# Altium PCB PCB For IN12の世界线.PcbDoc (part 2 of 2)
Units mm, origin at the board's own origin, x right, y up, seen from the top; angles counter-clockwise.
Board outline 183 x 51 mm, 2 copper layers (Top Layer, Bottom Layer), stack 1.58 mm thick; 103 components, 141 nets, 605 pads, 220 vias.
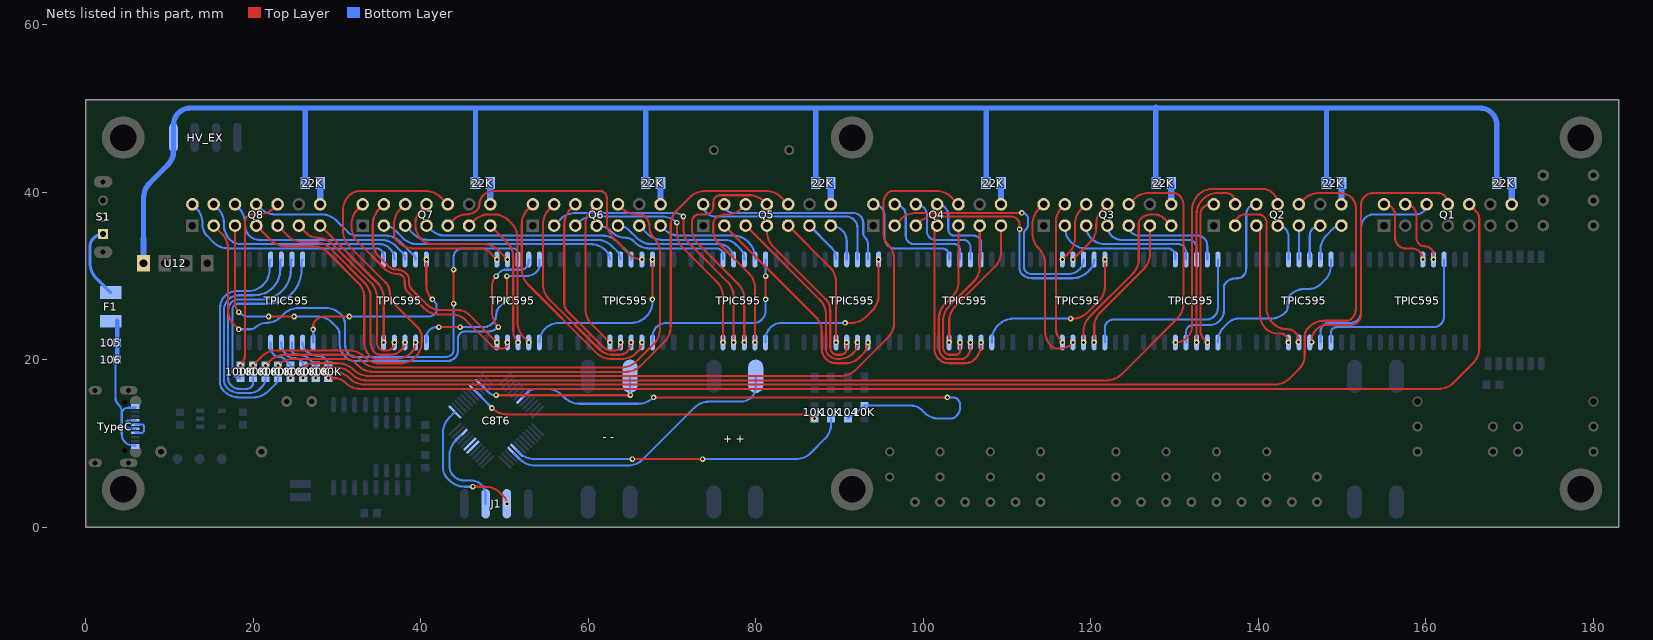
[diagram p2: the nets of this part, all layers, seen from the top]

## Via types
v1: diameter 0.66, hole 0.356, Top Layer to Bottom Layer, 220 vias

## Nets (pads, with @x,y where several pads share a name; then routed paths per layer and width w, separated by ;. In a path a pad name is that pad's centre, name@x,y a point inside that pad or via, vN(x,y) a via of type N, cw(c..) or ccw(c..) an arc to the next point about the centre after c; other vN are vias at no path point) (continued)
L1-6: Q1.2 TPIC595.16@159.635,31.95 | length 9.5
  Top Layer w0.254: Q1.2@155,38.54 cw(c155,37.21) 156.33,37.21 156.33,34.544 ccw(c157.6,34.544) 157.6,33.274 158.311,33.274 cw(c158.311,31.95) v1(159.635,31.95)
L1-7: Q1.4 TPIC595.17@160.905,31.95 | length 8.5
  Top Layer w0.254: Q1.4@157.54,38.54 cw(c157.54,37.21) 158.87,37.21 158.87,34.544 ccw(c159.886,34.544) 159.886,33.528 cw(c159.886,32.509) 160.905,32.509 v1(160.905,31.95)
L1-8: Q1.6 TPIC595.4@147.405,22.05 | length 27
  Bottom Layer w0.254: TPIC595.4@147.405,22.05 ccw(c147.405,22.085) 147.44,22.085 147.44,23.368 cw(c148.456,23.368) 148.456,24.384 150.996,24.384 ccw(c150.996,25.654) 152.266,25.654 152.266,35.814 cw(c153.79,35.814) 153.79,37.338 158.878,37.338 ccw(c158.878,38.54) Q1.6@160.08,38.54
L1-9: Q1.8 TPIC595.5@146.135,22.05 | length 32.9
  Top Layer w0.254: v1(146.371,22.098) 146.371,22.286 cw(c148.215,22.286) 148.215,24.13 150.996,24.13 ccw(c150.996,25.4) 152.266,25.4 152.266,38.468 cw(c153.676,38.468) 153.676,39.878 161.41,39.878 cw(c161.41,38.668) 162.62,38.668 Q1.8@162.62,38.54
L1-DP: 100K.1@28.98,17.78 Q1.10 | length 157.8
  Top Layer w0.254: v1(28.98,17.78) 29.736,17.78 cw(c29.736,15.984) 31.006,17.254 ccw(c32.802,19.05) 32.802,16.51 161.508,16.51 ccw(c161.508,19.05) 163.304,17.254 165.626,19.576 ccw(c163.83,21.372) 166.37,21.372 166.37,36.83 ccw(c165.163,36.83) 166.017,37.683 Q1.10@165.16,38.54
L2-0: Q2.3 TPIC595.6@144.865,22.05 | length 21.5
  Top Layer w0.254: Q2.3@137.22,36 137.22,36.128 cw(c138.43,36.128) 138.43,37.338 139.954,37.338 cw(c139.954,36.322) 140.97,36.322 140.97,26.162 ccw(c143.51,26.162) 143.51,23.622 cw(c143.51,22.352) 144.78,22.352 v1(144.78,22.098)
L2-1: Q2.5 TPIC595.7@143.595,22.05 | length 16.2
  Top Layer w0.254: Q2.5@139.76,36 cw(c139.76,35.552) 140.208,35.552 140.208,25.418 ccw(c142.704,25.418) 140.939,23.653 ccw(c142.24,24.954) 142.24,23.114 142.643,23.114 cw(c142.643,22.247) 143.256,22.86 143.262,22.854 cw(c142.458,22.05) v1(143.595,22.05)
L2-2: Q2.7 TPIC595.14@143.595,31.95 | length 4.8
  Bottom Layer w0.254: Q2.7@142.3,36 cw(c142.3,34.705) 143.595,34.705 TPIC595.14@143.595,31.95
L2-3: Q2.9 TPIC595.15@144.865,31.95 | length 4.1
  Bottom Layer w0.254: Q2.9@144.84,36 144.84,31.975 ccw(c144.865,31.975) TPIC595.15@144.865,31.95
L2-4: Q2.11 TPIC595.16@146.135,31.95 | length 4.8
  Bottom Layer w0.254: TPIC595.16@146.135,31.95 146.135,34.755 cw(c147.38,34.755) Q2.11@147.38,36
L2-5: Q2.13 TPIC595.17@147.405,31.95 | length 5.3
  Bottom Layer w0.254: TPIC595.17@147.405,31.95 147.405,33.069 cw(c149.945,33.069) 148.149,34.865 148.834,35.55 cw(c149.92,34.465) Q2.13@149.92,36
L2-6: Q2.2 TPIC595.4@133.905,22.05 | length 17.8
  Top Layer w0.254: v1(133.905,22.05) 133.471,22.484 cw(c134.378,23.39) 133.096,23.39 133.096,37.487 cw(c133.963,37.487) 133.35,38.1 cw(c134.412,37.038) 134.412,38.54 Q2.2@134.68,38.54
L2-7: Q2.4 TPIC595.5@132.635,22.05 | length 22.2
  Top Layer w0.254: v1(132.635,22.05) 132.635,37.349 cw(c135.175,37.349) 133.379,39.145 cw(c135.149,37.375) 135.149,39.878 136.144,39.878 cw(c136.144,38.802) 137.22,38.802 Q2.4@137.22,38.54
L2-8: Q2.6 TPIC595.6@131.365,22.05 | length 22.2
  Bottom Layer w0.254: TPIC595.6@131.365,22.05 131.365,23.295 cw(c132.2,23.295) 132.2,24.13 134.156,24.13 ccw(c134.156,25.864) 135.382,24.638 ccw(c134.156,25.864) 135.89,25.864 135.89,28.597 cw(c136.757,28.597) 136.144,29.21 cw(c137.37,27.984) 137.37,29.718 137.563,29.718 ccw(c137.563,30.585) 138.176,29.972 ccw(c137.273,30.875) 138.55,30.875 138.55,37.33 cw(c139.76,37.33) Q2.6@139.76,38.54
L2-9: Q2.8 TPIC595.7@130.095,22.05 | length 29.7
  Top Layer w0.254: v1(130.095,22.05) ccw(c130.095,24.035) 132.08,24.035 132.08,37.846 cw(c134.62,37.846) 134.62,40.386 140.454,40.386 cw(c140.454,38.54) Q2.8@142.3,38.54
L2-DP: 100K.1@27.48,17.78 Q2.10 | length 151
  Top Layer w0.254: v1(27.48,17.78) 27.737,18.037 cw(c28.956,16.818) 28.956,18.542 29.682,18.542 cw(c29.682,16.002) 31.478,17.798 31.514,17.762 ccw(c33.31,19.558) 33.31,17.018 141.95,17.018 ccw(c141.95,19.558) 143.746,17.762 144.824,18.84 ccw(c143.089,20.574) 145.542,20.574 145.542,22.86 cw(c146.768,22.86) 145.901,23.727 146.068,23.894 cw(c147.864,22.098) 147.864,24.638 150.517,24.638 ccw(c150.517,25.505) 151.13,24.892 ccw(c149.904,26.118) 151.638,26.118 151.638,38.094 ccw(c149.858,38.094) 151.117,39.353 ccw(c149.57,37.338) 149.57,39.878 147.23,39.878 ccw(c147.23,37.338) 145.434,39.134 Q2.10@144.84,38.54
L3-0: Q3.3 TPIC595.14@130.095,31.95 | length 15.8
  Bottom Layer w0.254: Q3.3@116.9,36 116.9,35.814 ccw(c119.44,35.814) 119.44,33.274 129.152,33.274 cw(c129.152,32.331) 130.095,32.331 TPIC595.14@130.095,31.95
L3-1: Q3.5 TPIC595.15@131.365,31.95 | length 14.6
  Bottom Layer w0.254: Q3.5@119.44,36 ccw(c121.658,36) 121.658,33.782 130.422,33.782 cw(c130.422,32.839) 131.365,32.839 TPIC595.15@131.365,31.95
L3-2: Q3.7 TPIC595.16@132.635,31.95 | length 13.6
  Bottom Layer w0.254: Q3.7@121.98,36 ccw(c123.69,36) 123.69,34.29 131.692,34.29 cw(c131.692,33.347) 132.635,33.347 TPIC595.16@132.635,31.95
L3-3: Q3.9 TPIC595.17@133.905,31.95 | length 12.4
  Bottom Layer w0.254: Q3.9@124.52,36 ccw(c125.722,36) 125.722,34.798 132.708,34.798 cw(c132.708,33.601) 133.905,33.601 TPIC595.17@133.905,31.95
L3-4: Q3.11 TPIC595.4@120.405,22.05 | length 16.5
  Top Layer w0.254: v1(120.405,22.05) 120.405,23.849 cw(c122.945,23.849) 121.149,25.645 126.316,30.812 ccw(c124.52,32.608) 127.06,32.608 Q3.11@127.06,36
L3-5: Q3.13 TPIC595.5@119.135,22.05 | length 21.6
  Top Layer w0.254: v1(119.135,22.05) 119.135,23.341 cw(c121.675,23.341) 119.879,25.137 124.986,30.244 ccw(c123.19,32.04) 125.73,32.04 125.73,36.217 cw(c126.597,36.217) 125.984,36.83 cw(c127.21,35.604) 127.21,37.338 127.508,37.338 cw(c127.508,35.518) 128.795,36.805 Q3.13@129.6,36
L3-6: Q3.2 TPIC595.6@117.865,22.05 | length 20.8
  Top Layer w0.254: Q3.2@114.36,38.54 113.774,37.954 ccw(c115.57,36.158) 113.03,36.158 113.03,35.088 ccw(c115.57,35.088) 113.774,33.292 113.81,33.256 cw(c112.014,31.46) 114.554,31.46 114.554,23.404 ccw(c117.094,23.404) 115.298,21.608 115.316,21.59 ccw(c115.929,22.203) 115.929,21.336 116.332,21.336 ccw(c116.332,23.313) 117.73,21.915 v1(117.865,22.05)
L3-7: Q3.4 TPIC595.7@116.595,22.05 | length 17
  Top Layer w0.254: v1(116.595,22.05) 116.568,22.077 cw(c118.364,23.873) 115.824,23.873 115.824,36.412 cw(c118.364,36.412) 116.568,38.208 Q3.4@116.9,38.54
L3-8: Q3.6 TPIC595.14@116.595,31.95 | length 7.5
  Top Layer w0.254: v1(116.595,31.95) 117.366,32.721 ccw(c115.57,34.517) 118.11,34.517 118.11,36.158 cw(c120.65,36.158) 118.854,37.954 Q3.6@119.44,38.54
L3-9: Q3.8 TPIC595.15@117.865,31.95 | length 8.1
  Top Layer w0.254: v1(117.865,31.95) 119.906,33.991 ccw(c118.11,35.787) 120.65,35.787 120.65,36.158 cw(c123.19,36.158) 121.394,37.954 Q3.8@121.98,38.54
L3-DP: 100K.1@25.98,17.78 Q3.10 | length 129.7
  Top Layer w0.254: v1(25.98,17.78) 26.506,18.306 cw(c28.302,16.51) 28.302,19.05 29.936,19.05 cw(c29.936,16.51) 31.732,18.306 31.768,18.27 ccw(c33.564,20.066) 33.564,17.526 121.884,17.526 ccw(c121.884,20.066) 123.68,18.27 130.32,24.91 ccw(c128.524,26.706) 131.064,26.706 131.064,38.398 ccw(c129.33,38.398) 130.556,39.624 ccw(c129.943,39.011) 129.943,39.878 126.91,39.878 ccw(c126.91,37.338) 125.114,39.134 Q3.10@124.52,38.54
L4-0: Q4.3 TPIC595.16@119.135,31.95 | length 31.4
  Top Layer w0.254: Q4.3@96.58,36 97.347,36.767 cw(c99.143,34.971) 99.143,37.511 v1(111.76,37.511)
  Bottom Layer w0.254: v1@111.899,37.453 ccw(c111.76,37.314) v1(111.76,37.511) cw(c111.76,36.749) 112.522,36.749 112.522,36.173 cw(c111.655,36.173) 112.268,35.56 ccw(c112.881,34.947) 112.014,34.947 112.014,33.931 112.014,31.093 ccw(c112.881,31.093) 112.268,30.48 ccw(c112.881,31.093) 112.881,30.226 117.359,30.226 ccw(c117.359,32.038) 118.641,30.757 ccw(c117.447,31.95) TPIC595.16@119.135,31.95
L4-1: Q4.5 TPIC595.17@120.405,31.95 | length 29.1
  Top Layer w0.254: Q4.5@99.12,36 99.46,36.34 cw(c101.256,34.544) 101.256,37.084 110.49,37.084 cw(c110.49,36.068) 111.506,36.068 v1(111.506,35.56)
  Bottom Layer w0.254: v1(111.506,35.56) 111.506,30.839 ccw(c112.373,30.839) 111.76,30.226 ccw(c112.986,31.452) 112.986,29.718 117.82,29.718 ccw(c117.82,32.258) 119.616,30.462 119.911,30.757 ccw(c118.717,31.95) TPIC595.17@120.405,31.95
L4-2: Q4.7 TPIC595.4@106.905,22.05 | length 22.9
  Top Layer w0.254: Q4.7@101.66,36 ccw(c102.418,35.242) 101.346,35.242 101.346,21.292 ccw(c103.08,21.292) 101.854,20.066 ccw(c103.08,21.292) 103.08,19.558 104.946,19.558 ccw(c104.946,21.292) 106.172,20.066 ccw(c104.402,21.836) 106.905,21.836 v1(106.905,22.05)
L4-3: Q4.9 TPIC595.5@105.635,22.05 | length 21.4
  Top Layer w0.254: Q4.9@104.2,36 104.2,29.306 cw(c101.66,29.306) 103.456,27.51 102.598,26.652 ccw(c104.394,24.856) 101.854,24.856 101.854,21.546 ccw(c103.588,21.546) 102.362,20.32 ccw(c102.975,20.933) 102.975,20.066 104.543,20.066 ccw(c104.543,20.933) 105.156,20.32 ccw(c104,21.476) 105.635,21.476 v1(105.635,22.05)
L4-4: Q4.11 TPIC595.6@104.365,22.05 | length 20
  Top Layer w0.254: v1(104.365,22.05) cw(c104.365,22.021) 104.394,22.021 104.394,21.082 cw(c103.886,21.082) 103.886,20.574 103.229,20.574 cw(c103.229,21.441) 102.616,20.828 cw(c103.229,21.441) 102.362,21.441 102.362,24.602 cw(c104.902,24.602) 103.106,26.398 105.996,29.288 ccw(c104.2,31.084) 106.74,31.084 Q4.11@106.74,36
L4-5: Q4.13 TPIC595.7@103.095,22.05 | length 16.3
  Top Layer w0.254: v1(103.095,22.05) 103.095,24.573 cw(c105.635,24.573) 103.839,26.369 108.536,31.066 ccw(c106.74,32.862) 109.28,32.862 Q4.13@109.28,36
L4-6: Q4.2 TPIC595.14@103.095,31.95 | length 14.2
  Bottom Layer w0.254: Q4.2@94.04,38.54 cw(c94.04,37.21) 95.37,37.21 95.37,34.544 ccw(c96.64,34.544) 96.64,33.274 102.228,33.274 cw(c102.228,32.407) 103.095,32.407 TPIC595.14@103.095,31.95
L4-7: Q4.4 TPIC595.15@104.365,31.95 | length 13.1
  Bottom Layer w0.254: Q4.4@96.58,38.54 cw(c96.58,37.21) 97.91,37.21 97.91,34.798 ccw(c98.926,34.798) 98.926,33.782 103.752,33.782 cw(c103.752,33.169) 104.365,33.169 TPIC595.15@104.365,31.95
L4-8: Q4.6 TPIC595.16@105.635,31.95 | length 11.7
  Bottom Layer w0.254: Q4.6@99.12,38.54 cw(c99.12,37.21) 100.45,37.21 100.45,35.306 ccw(c101.466,35.306) 101.466,34.29 104.768,34.29 cw(c104.768,33.423) 105.635,33.423 TPIC595.16@105.635,31.95
L4-9: Q4.8 TPIC595.17@106.905,31.95 | length 10.6
  Bottom Layer w0.254: Q4.8@101.66,38.54 cw(c101.66,37.21) 102.99,37.21 102.99,35.56 ccw(c103.752,35.56) 103.752,34.798 106.038,34.798 cw(c106.038,33.931) 106.905,33.931 TPIC595.17@106.905,31.95
L4-DP: 100K.1@24.48,17.78 Q4.10 | length 101.1
  Top Layer w0.254: v1(24.48,17.78) 25.514,18.814 cw(c27.31,17.018) 27.31,19.558 30.19,19.558 cw(c30.19,17.018) 31.986,18.814 32.022,18.778 ccw(c33.818,20.574) 33.818,18.034 90.134,18.034 ccw(c90.134,20.574) 91.93,18.778 95.776,22.624 ccw(c93.98,24.42) 96.52,24.42 96.52,31.968 ccw(c93.98,31.968) 95.776,33.764 cw(c97.046,35.034) 95.25,35.034 95.25,38.652 cw(c96.984,38.652) 95.758,39.878 cw(c96.371,39.265) 96.371,40.132 101.556,40.132 cw(c101.556,37.592) 103.352,39.388 Q4.10@104.2,38.54
L5-0: Q5.3 TPIC595.4@93.405,22.05 | length 27.2
  Top Layer w0.254: Q5.3@76.26,36 87.14,25.12 cw(c85.344,23.324) 87.884,23.324 87.884,21.292 ccw(c89.618,21.292) 88.392,20.066 ccw(c89.618,21.292) 89.618,19.558 90.642,19.558 ccw(c90.642,22.098) 92.438,20.302 92.853,20.717 ccw(c91.52,22.05) v1(93.405,22.05)
L5-1: Q5.5 TPIC595.5@92.135,22.05 | length 24.1
  Top Layer w0.254: Q5.5@78.8,36 87.648,27.152 cw(c85.852,25.356) 88.392,25.356 88.392,21.187 ccw(c89.259,21.187) 88.646,20.574 ccw(c89.872,21.8) 89.872,20.066 89.88,20.066 ccw(c89.88,22.606) 91.676,20.81 ccw(c90.568,21.918) 92.135,21.918 v1(92.135,22.05)
L5-2: Q5.7 TPIC595.6@90.865,22.05 | length 21.1
  Top Layer w0.254: Q5.7@81.34,36 81.34,35.282 ccw(c83.88,35.282) 82.084,33.486 88.361,27.209 cw(c87.06,25.908) 88.9,25.908 88.9,21.441 ccw(c89.767,21.441) 89.154,20.828 ccw(c89.767,21.441) 89.767,20.574 90.065,20.574 ccw(c90.065,21.441) 90.678,20.828 ccw(c90.227,21.279) 90.865,21.279 v1(90.865,22.05)
L5-3: Q5.9 TPIC595.7@89.595,22.05 | length 16.2
  Top Layer w0.254: Q5.9@83.88,36 88.851,31.029 cw(c87.055,29.233) 89.595,29.233 v1(89.595,22.05)
L5-4: Q5.11 TPIC595.14@89.595,31.95 | length 5.3
  Bottom Layer w0.254: Q5.11@86.42,36 88.976,33.444 cw(c87.483,31.95) TPIC595.14@89.595,31.95
L5-5: Q5.13 TPIC595.15@90.865,31.95 | length 5.1
  Bottom Layer w0.254: Q5.13@88.96,36 cw(c88.96,34.095) 90.865,34.095 TPIC595.15@90.865,31.95
L5-6: Q5.2 TPIC595.16@92.135,31.95 | length 23.8
  Bottom Layer w0.254: Q5.2@73.72,38.54 ccw(c75.176,38.54) 75.176,37.084 90.798,37.084 cw(c90.798,35.747) 92.135,35.747 TPIC595.16@92.135,31.95
L5-7: Q5.4 TPIC595.17@93.405,31.95 | length 22.4
  Bottom Layer w0.254: Q5.4@76.26,38.54 ccw(c77.289,38.54) 77.289,37.511 91.641,37.511 cw(c91.641,36.322) 92.83,36.322 92.83,35.157 ccw(c93.697,35.157) 93.084,34.544 cw(c92.309,33.769) 93.405,33.769 TPIC595.17@93.405,31.95
L5-8: Q5.6 TPIC595.4@79.905,22.05 | length 20.9
  Top Layer w0.254: Q5.6@78.8,38.54 78.227,37.967 cw(c76.708,39.487) 76.708,37.338 76.41,37.338 ccw(c76.41,35.604) 75.184,36.83 ccw(c75.797,36.217) 74.93,36.217 74.93,35.262 ccw(c76.664,35.262) 75.438,34.036 79.161,30.313 cw(c77.365,28.517) 79.905,28.517 v1(79.905,22.05)
L5-9: Q5.8 TPIC595.5@78.635,22.05 | length 28.1
  Top Layer w0.254: v1(78.635,22.05) 78.635,27.247 ccw(c76.095,27.247) 77.891,29.043 73.134,33.8 cw(c74.93,35.596) 72.39,35.596 72.39,36.471 cw(c73.257,36.471) 72.644,37.084 cw(c73.257,36.471) 73.257,37.338 74.063,37.338 ccw(c74.063,38.205) 74.676,37.592 ccw(c74.063,38.205) 74.93,38.205 74.93,38.757 cw(c75.797,38.757) 75.184,39.37 cw(c75.797,38.757) 75.797,39.624 79.204,39.624 cw(c79.204,37.084) 81,38.88 Q5.8@81.34,38.54
L5-DP: 100K.1@22.98,19.32 Q5.10 | length 78.9
  Top Layer w0.254: v1(22.98,19.32) 22.982,19.322 cw(c24.778,17.526) 24.778,20.066 31.032,20.066 cw(c31.032,18.332) 32.258,19.558 32.53,19.286 ccw(c34.326,21.082) 34.326,18.542 64.48,18.542 ccw(c64.48,21.082) 66.276,19.286 69.106,22.116 ccw(c67.31,23.912) 69.85,23.912 69.85,36.032 cw(c72.39,36.032) 70.594,37.828 72.154,39.388 cw(c73.95,37.592) 73.95,40.132 81.236,40.132 cw(c81.236,37.592) 83.032,39.388 Q5.10@83.88,38.54
L6-0: Q6.3 TPIC595.6@77.365,22.05 | length 33.4
  Top Layer w0.254: v1(71.374,37.084) 71.374,35.596 ccw(c73.914,35.596) 72.118,33.8 76.621,29.297 cw(c74.825,27.501) 77.365,27.501 v1(77.365,22.05)
  Bottom Layer w0.254: Q6.3@55.94,36 56.707,36.767 cw(c58.503,34.971) 58.503,37.511 70.344,37.511 cw(c70.344,36.054) v1(71.374,37.084)
L6-1: Q6.5 TPIC595.7@76.095,22.05 | length 29
  Top Layer w0.254: v1(70.594,36.34) 70.594,35.106 ccw(c73.134,35.106) 71.338,33.31 75.351,29.297 cw(c73.555,27.501) 76.095,27.501 v1(76.095,22.05)
  Bottom Layer w0.254: Q6.5@58.48,36 58.82,36.34 cw(c60.616,34.544) 60.616,37.084 68.798,37.084 cw(c68.798,34.544) v1(70.594,36.34)
L6-2: Q6.7 TPIC595.14@76.095,31.95 | length 16.8
  Bottom Layer w0.254: Q6.7@61.02,36 cw(c61.02,33.528) 62.768,35.276 62.782,35.262 ccw(c64.516,36.997) 64.516,34.544 cw(c64.516,33.318) 65.383,34.185 65.55,34.018 ccw(c67.346,35.814) 67.346,33.274 75.304,33.274 cw(c75.304,32.483) 76.095,32.483 TPIC595.14@76.095,31.95
L6-3: Q6.9 TPIC595.15@77.365,31.95 | length 15.6
  Bottom Layer w0.254: Q6.9@63.56,36 cw(c63.56,34.141) 64.874,35.456 65.804,34.526 ccw(c67.6,36.322) 67.6,33.782 75.602,33.782 cw(c75.602,32.048) 76.828,33.274 cw(c75.532,31.978) 77.365,31.978 TPIC595.15@77.365,31.95
L6-4: Q6.11 TPIC595.16@78.635,31.95 | length 14.4
  Bottom Layer w0.254: Q6.11@66.1,36 67.066,35.034 ccw(c68.862,36.83) 68.862,34.29 76.364,34.29 cw(c76.364,32.556) 77.59,33.782 78.079,33.293 cw(c76.735,31.95) TPIC595.16@78.635,31.95
L6-5: Q6.13 TPIC595.17@79.905,31.95 | length 13.4
  Bottom Layer w0.254: Q6.13@68.64,36 69.098,35.542 ccw(c70.894,37.338) 70.894,34.798 77.3,34.798 cw(c77.3,32.258) 79.096,34.054 79.161,33.989 cw(c77.365,32.193) 79.905,32.193 TPIC595.17@79.905,31.95
L6-6: Q6.2 TPIC595.4@66.405,22.05 | length 28.4
  Top Layer w0.254: Q6.2@53.4,38.54 52.814,37.954 ccw(c54.61,36.158) 52.07,36.158 52.07,30.77 ccw(c54.61,30.77) 52.814,28.974 60.978,20.81 ccw(c62.774,22.606) 62.774,20.066 63.972,20.066 ccw(c63.972,22.606) 65.768,20.81 65.979,21.021 ccw(c64.949,22.05) v1(66.405,22.05)
L6-7: Q6.4 TPIC595.5@65.135,22.05 | length 25.2
  Top Layer w0.254: Q6.4@55.94,38.54 55.354,37.954 ccw(c57.15,36.158) 54.61,36.158 54.61,28.992 ccw(c57.15,28.992) 55.354,27.196 61.232,21.318 ccw(c63.028,23.114) 63.028,20.574 63.754,20.574 ccw(c63.754,21.8) 64.621,20.933 64.709,21.021 ccw(c63.679,22.05) v1(65.135,22.05)
L6-8: Q6.6 TPIC595.6@63.865,22.05 | length 22.2
  Top Layer w0.254: Q6.6@58.48,38.54 57.894,37.954 ccw(c59.69,36.158) 57.15,36.158 57.15,26.67 ccw(c58.376,26.67) 57.509,25.803 61.871,21.441 ccw(c62.738,22.308) 62.738,21.082 63.141,21.082 ccw(c63.141,21.949) 63.754,21.336 ccw(c63.486,21.604) 63.865,21.604 v1(63.865,22.05)
L6-9: Q6.8 TPIC595.7@62.595,22.05 | length 18
  Top Layer w0.254: Q6.8@61.02,38.54 60.434,37.954 ccw(c62.23,36.158) 59.69,36.158 59.69,26.007 ccw(c62.23,26.007) 60.434,24.211 v1(62.595,22.05)
L6-DP: 100K.1@21.48,19.32 Q6.10 | length 67.8
  Top Layer w0.254: v1(21.48,19.32) 21.99,19.83 cw(c23.786,18.034) 23.786,20.574 31.206,20.574 cw(c31.206,18.034) 33.002,19.83 33.038,19.794 ccw(c34.834,21.59) 34.834,19.05 63.972,19.05 ccw(c63.972,21.59) 65.768,19.794 67.836,21.862 ccw(c66.04,23.658) 68.58,23.658 68.58,32.73 ccw(c66.04,32.73) 67.836,34.526 cw(c69.106,35.796) 67.31,35.796 67.31,35.858 ccw(c65.576,35.858) 66.802,37.084 ccw(c66.189,36.471) 66.189,37.338 65.814,37.338 cw(c65.814,39.878) 64.018,38.082 Q6.10@63.56,38.54
L7-0: Q7.3 TPIC595.14@62.595,31.95 | length 28.6
  Bottom Layer w0.254: Q7.3@35.62,36 cw(c35.62,34.141) 36.934,35.456 37.864,34.526 ccw(c39.66,36.322) 39.66,33.782 60.282,33.782 cw(c60.282,31.242) 62.078,33.038 62.191,32.925 cw(c61.216,31.95) TPIC595.14@62.595,31.95
L7-1: Q7.5 TPIC595.15@63.865,31.95 | length 27.4
  Bottom Layer w0.254: Q7.5@38.16,36 39.126,35.034 ccw(c40.922,36.83) 40.922,34.29 61.044,34.29 cw(c61.044,31.75) 62.84,33.546 63.461,32.925 cw(c62.486,31.95) TPIC595.15@63.865,31.95
L7-2: Q7.7 TPIC595.16@65.135,31.95 | length 26.1
  Bottom Layer w0.254: Q7.7@40.7,36 41.158,35.542 ccw(c42.954,37.338) 42.954,34.798 61.686,34.798 cw(c61.686,32.258) 63.482,34.054 64.816,32.72 cw(c64.046,31.95) TPIC595.16@65.135,31.95
L7-3: Q7.9 TPIC595.17@66.405,31.95 | length 30.8
  Top Layer w0.254: Q7.9@43.24,36 43.963,36.723 cw(c45.448,35.238) 45.448,37.338 ccw(c45.448,39.221) 46.78,37.89 ccw(c46.272,38.398) 46.99,38.398 cw(c48.724,38.398) 47.498,39.624 cw(c48.724,38.398) 48.724,40.132 61.363,40.132 cw(c61.363,39.265) 61.976,39.878 cw(c61.363,39.265) 62.23,39.265 62.23,36.358 ccw(c64.77,36.358) 62.974,34.562 65.007,32.529 ccw(c66.405,33.927) v1(66.405,31.95)
L7-4: Q7.11 TPIC595.4@52.905,22.05 | length 20.7
  Top Layer w0.254: Q7.11@45.78,36 46.374,36.594 cw(c48.17,34.798) 48.17,37.338 48.732,37.338 cw(c48.732,34.798) 50.528,36.594 50.818,36.304 cw(c49.022,34.508) 51.562,34.508 51.562,24.445 ccw(c54.102,24.445) 52.306,22.649 v1(52.905,22.05)
L7-5: Q7.13 TPIC595.5@51.635,22.05 | length 15.1
  Top Layer w0.254: Q7.13@48.32,36 50.31,34.01 cw(c48.514,32.214) 51.054,32.214 51.054,23.453 ccw(c53.038,23.453) v1(51.635,22.05)
L7-6: Q7.2 TPIC595.6@50.365,22.05 | length 29
  Top Layer w0.254: Q7.2@33.08,38.54 32.494,37.954 ccw(c34.29,36.158) 31.75,36.158 31.75,35.85 ccw(c34.29,35.85) 32.494,34.054 35.678,30.87 ccw(c37.233,32.425) 37.233,30.226 cw(c37.233,29.359) 37.846,29.972 cw(c37.233,29.359) 38.1,29.359 38.1,28.956 ccw(c39.326,28.956) 38.459,28.089 40.404,26.144 ccw(c42.2,27.94) 42.2,25.4 43.652,25.4 cw(c43.652,22.86) 45.448,24.656 48.409,21.695 ccw(c49.276,22.562) 49.276,21.336 49.679,21.336 ccw(c49.679,22.203) 50.292,21.59 ccw(c50.116,21.766) 50.365,21.766 v1(50.365,22.05)
L7-7: Q7.4 TPIC595.7@49.095,22.05 | length 25.5
  Top Layer w0.254: Q7.4@35.62,38.54 35.034,37.954 ccw(c36.83,36.158) 34.29,36.158 34.29,34.072 ccw(c36.83,34.072) 35.034,32.276 36.186,31.124 ccw(c37.128,32.066) 37.128,30.734 cw(c37.128,29) 38.354,30.226 cw(c37.741,29.613) 38.608,29.613 38.608,29.21 ccw(c39.834,29.21) 38.967,28.343 40.658,26.652 ccw(c42.454,28.448) 42.454,25.908 44.45,25.908 cw(c44.45,24.008) 45.793,25.352 v1(49.095,22.05)
L7-8: Q7.6 TPIC595.14@49.095,31.95 | length 17.5
  Top Layer w0.254: Q7.6@38.16,38.54 37.574,37.954 ccw(c39.37,36.158) 36.83,36.158 36.83,35.052 ccw(c38.056,35.052) 37.189,34.185 37.356,34.018 ccw(c39.152,35.814) 39.152,33.274 46.99,33.274 cw(c46.99,31.389) 48.323,32.722 v1(49.095,31.95)
L7-9: Q7.8 TPIC595.15@50.365,31.95 | length 15.9
  Top Layer w0.254: Q7.8@40.7,38.54 40.114,37.954 ccw(c41.91,36.158) 39.37,36.158 39.37,36.104 ccw(c41.91,36.104) 40.114,34.308 ccw(c41.384,35.578) 41.384,33.782 47.481,33.782 cw(c47.481,31.242) 49.277,33.038 v1(50.365,31.95)
L7-DP: 100K.1@19.98,19.32 Q7.10 | length 56.3
  Top Layer w0.254: v1(19.98,19.32) 20.998,20.338 cw(c22.794,18.542) 22.794,21.082 31.46,21.082 cw(c31.46,18.542) 33.256,20.338 33.318,20.276 ccw(c35.052,22.011) 35.052,19.558 37.592,19.558 ccw(c37.592,22.011) 39.326,20.276 39.388,20.338 ccw(c37.592,22.134) 40.132,22.134 40.132,22.65 ccw(c38.398,22.65) 39.624,23.876 36.861,26.639 cw(c38.162,27.94) 36.322,27.94 ccw(c34.482,27.94) 35.783,29.241 31.478,33.546 cw(c33.274,35.342) 30.734,35.342 30.734,37.81 cw(c33.274,37.81) 31.478,39.606 cw(c32.748,38.336) 32.748,40.132 40.596,40.132 cw(c40.596,37.592) 42.392,39.388 Q7.10@43.24,38.54
L8-0: Q8.3 TPIC595.16@51.635,31.95 | length 65
  Top Layer w0.254: Q8.3@15.3,36 16.274,35.026 cw(c14.478,33.23) 17.018,33.23 17.018,25.944 ccw(c19.558,25.944) 17.762,24.148 v1(18.288,23.622) ; v1(43.942,26.67) v1(43.942,30.734)
  Bottom Layer w0.254: v1(18.288,23.622) 19.707,23.622 ccw(c19.707,24.489) 20.32,23.876 cw(c21.546,22.65) 21.546,24.384 21.554,24.384 ccw(c21.554,26.924) 23.35,25.128 23.64,25.418 cw(c25.436,23.622) 25.436,26.162 28.684,26.162 cw(c28.684,23.666) 30.449,25.431 cw(c29.148,24.13) 30.988,24.13 30.988,21.8 ccw(c32.722,21.8) 31.496,20.574 ccw(c32.109,21.187) 32.109,20.32 42.97,20.32 ccw(c42.97,21.441) 43.762,20.648 ccw(c43.329,21.082) 43.942,21.082 v1(43.942,26.67) ; v1(43.942,30.734) 43.942,32.258 cw(c44.958,32.258) 44.958,33.274 51.054,33.274 cw(c51.054,32.693) 51.635,32.693 TPIC595.16@51.635,31.95
L8-1: Q8.5 TPIC595.17@52.905,31.95 | length 59.1
  Top Layer w0.254: Q8.5@17.84,36 17.84,26.736 ccw(c19.37,26.736) v1(18.288,25.654) ; v1(21.844,25.146) v1(24.892,25.146) ; v1(49.022,29.972) ccw(c50.248,28.746) 48.514,28.746 48.514,25.69 ccw(c51.054,25.69) 49.258,23.894 v1(49.276,23.876)
  Bottom Layer w0.254: v1(18.288,25.654) ccw(c19.514,26.88) 19.514,25.146 v1(21.844,25.146) ; v1(24.892,25.146) 27.65,25.146 cw(c27.65,22.606) 29.446,24.402 29.984,23.864 cw(c29.233,23.114) 30.294,23.114 30.294,21.995 ccw(c32.663,21.995) 30.988,20.32 ccw(c32.214,21.546) 32.214,19.812 43.118,19.812 ccw(c43.118,21.187) 44.091,20.215 ccw(c43.224,21.082) 44.45,21.082 44.45,22.501 cw(c45.317,22.501) 44.704,23.114 cw(c45.317,22.501) 45.317,23.368 48.05,23.368 ccw(c48.05,25.102) v1(49.276,23.876) ; v1(49.022,29.972) 49.582,30.532 cw(c50.038,30.075) 50.038,30.721 51.932,30.721 ccw(c51.932,31.634) 52.578,30.988 ccw(c51.789,31.777) 52.905,31.777 TPIC595.17@52.905,31.95
L8-2: Q8.7 TPIC595.4@39.405,22.05 | length 30.5
  Top Layer w0.254: Q8.7@20.38,36 22.108,34.272 ccw(c23.904,36.068) 23.904,33.528 27.142,33.528 cw(c27.142,30.988) 28.938,32.784 32.53,29.192 cw(c30.734,27.396) 33.274,27.396 33.274,22.098 ccw(c35.727,22.098) 33.992,20.364 ccw(c34.711,21.082) 34.711,20.066 37.048,20.066 ccw(c37.048,22.606) 38.844,20.81 38.925,20.891 ccw(c37.766,22.05) v1(39.405,22.05)
L8-3: Q8.9 TPIC595.5@38.135,22.05 | length 26.1
  Top Layer w0.254: Q8.9@22.92,36 24.14,34.78 ccw(c25.936,36.576) 25.936,34.036 27.396,34.036 cw(c27.396,31.496) 29.192,33.292 33.292,29.192 cw(c31.496,27.396) 34.036,27.396 34.036,22.054 ccw(c35.77,22.054) 34.544,20.828 ccw(c35.157,21.441) 35.157,20.574 36.366,20.574 ccw(c36.366,22.308) 37.592,21.082 37.834,21.324 ccw(c37.109,22.05) v1(38.135,22.05)
L8-4: Q8.11 TPIC595.6@36.865,22.05 | length 21.8
  Top Layer w0.254: Q8.11@25.46,36 26.372,35.088 ccw(c27.686,36.403) 27.686,34.544 cw(c27.686,32.091) 29.42,33.826 34.054,29.192 cw(c32.258,27.396) 34.798,27.396 34.798,21.949 ccw(c35.665,21.949) 35.052,21.336 ccw(c35.665,21.949) 35.665,21.082 35.963,21.082 ccw(c35.963,21.949) 36.576,21.336 ccw(c35.878,22.034) 36.865,22.034 v1(36.865,22.05)
L8-5: Q8.13 TPIC595.7@35.595,22.05 | length 17
  Top Layer w0.254: Q8.13@28,36 34.851,29.149 cw(c33.055,27.353) 35.595,27.353 v1(35.595,22.05)
L8-6: Q8.2 TPIC595.14@35.595,31.95 | length 26.8
  Bottom Layer w0.254: Q8.2@12.76,38.54 13.226,38.074 cw(c11.43,36.278) 13.97,36.278 13.97,36.068 ccw(c15.81,36.068) 14.509,34.767 15.258,34.018 ccw(c17.054,35.814) 17.054,33.274 34.693,33.274 cw(c34.693,32.407) 35.306,33.02 cw(c34.608,32.322) 35.595,32.322 TPIC595.14@35.595,31.95
L8-7: Q8.4 TPIC595.15@36.865,31.95 | length 25.6
  Bottom Layer w0.254: Q8.4@15.3,38.54 15.766,38.074 cw(c13.97,36.278) 16.51,36.278 16.51,36.104 ccw(c19.05,36.104) 17.254,34.308 17.272,34.29 ccw(c18.498,35.516) 18.498,33.782 35.096,33.782 cw(c35.096,32.048) 36.322,33.274 cw(c35.011,31.963) 36.865,31.963 TPIC595.15@36.865,31.95
L8-8: Q8.6 TPIC595.16@38.135,31.95 | length 24.1
  Bottom Layer w0.254: Q8.6@17.84,38.54 18.306,38.074 cw(c16.51,36.278) 19.05,36.278 19.05,36.024 ccw(c20.784,36.024) 19.558,34.798 ccw(c20.784,36.024) 20.784,34.29 35.27,34.29 cw(c35.27,31.75) 37.066,33.546 37.762,32.85 cw(c36.863,31.95) TPIC595.16@38.135,31.95
L8-9: Q8.8 TPIC595.17@39.405,31.95 | length 21.5
  Bottom Layer w0.254: Q8.8@20.38,38.54 20.838,38.082 ccw(c22.634,39.878) 22.634,37.338 28.158,37.338 cw(c28.158,34.798) 29.954,36.594 31.286,35.262 ccw(c32.407,36.384) 32.407,34.798 35.778,34.798 cw(c35.778,32.258) 37.574,34.054 39.212,32.416 cw(c38.746,31.95) TPIC595.17@39.405,31.95
L8-DP: 100K.1@18.48,19.32 Q8.10 | length 22.1
  Top Layer w0.254: v1(18.48,19.32) ccw(c17.104,20.696) 19.05,20.696 19.05,36.471 cw(c19.917,36.471) 19.304,37.084 cw(c19.917,36.471) 19.917,37.338 20.666,37.338 ccw(c20.666,39.878) 22.462,38.082 Q8.10@22.92,38.54
NetF1_2: F1.2 S1.1 | length 8.8
  Bottom Layer w0.381: S1.1@2.1,35 ccw(c2.1,33.484) 1.028,34.556 0.911,34.439 ccw(c1.821,33.528) 0.533,33.528 0.533,31.519 ccw(c3.073,31.519) 1.277,29.723 F1.2@3,28
NetQ1_14: 22K.1@170.24,41.08 Q1.14 | length 2.5
  Bottom Layer w0.762: Q1.14@170.24,38.54 22K.1@170.24,41.08
NetQ2_14: 22K.1@149.92,41.08 Q2.14 | length 2.5
  Bottom Layer w0.762: Q2.14@149.92,38.54 22K.1@149.92,41.08
NetQ3_14: 22K.1@129.6,41.08 Q3.14 | length 2.5
  Bottom Layer w0.762: Q3.14@129.6,38.54 22K.1@129.6,41.08
NetQ4_14: 22K.1@109.28,41.08 Q4.14 | length 2.5
  Bottom Layer w0.762: Q4.14@109.28,38.54 22K.1@109.28,41.08
NetQ5_14: 22K.1@88.96,41.08 Q5.14 | length 2.5
  Bottom Layer w0.762: Q5.14@88.96,38.54 22K.1@88.96,41.08
NetQ6_14: 22K.1@68.64,41.08 Q6.14 | length 2.5
  Bottom Layer w0.762: Q6.14@68.64,38.54 22K.1@68.64,41.08
NetQ7_14: 22K.1@48.32,41.08 Q7.14 | length 2.5
  Bottom Layer w0.762: Q7.14@48.32,38.54 22K.1@48.32,41.08
NetQ8_14: 22K.1@28,41.08 Q8.14 | length 2.5
  Bottom Layer w0.762: Q8.14@28,38.54 22K.1@28,41.08
NetR9_2: 100K.2@18.48,17.78 TPIC595.17@25.905,31.95 | length 21.1
  Bottom Layer w0.254: 100K.2@18.393,18.034 100K.2@18.48,18.034 ; 100K.2@18.48,17.78 18.393,17.78 cw(c18.393,18.647) 17.78,18.034 17.706,18.108 cw(c18.139,18.542) 17.526,18.542 17.526,25.908 cw(c18.288,25.908) 18.288,26.67 21.714,26.67 ccw(c21.714,30.734) 25.778,30.734 25.778,31.643 cw(c26.212,31.643) TPIC595.17@25.905,31.95
NetR10_2: 100K.2@19.98,17.78 TPIC595.16@24.635,31.95 | length 24.3
  Bottom Layer w0.254: 100K.2@19.98,17.78 19.98,17.17 cw(c19.406,17.17) 19.812,16.764 cw(c19.199,17.377) 19.199,16.51 18.35,16.51 cw(c18.35,17.885) 17.377,16.913 cw(c18.244,17.78) 17.018,17.78 17.018,25.908 cw(c18.288,25.908) 18.288,27.178 20.952,27.178 ccw(c20.952,30.734) 24.508,30.734 24.508,31.643 cw(c24.942,31.643) TPIC595.16@24.635,31.95
NetR11_2: 100K.2@21.48,17.78 TPIC595.15@23.365,31.95 | length 25.8
  Bottom Layer w0.254: 100K.2@21.48,17.78 cw(c19.988,17.78) 21.043,16.725 20.828,16.51 cw(c19.602,17.736) 19.602,16.002 18.455,16.002 cw(c18.455,18.244) 16.869,16.659 cw(c17.736,17.526) 16.51,17.526 16.51,25.908 cw(c18.288,25.908) 18.288,27.686 20.19,27.686 ccw(c20.19,30.734) 23.238,30.734 23.238,31.643 cw(c23.672,31.643) TPIC595.15@23.365,31.95
NetR12_2: 100K.2@22.98,17.78 TPIC595.14@22.095,31.95 | length 27.5
  Bottom Layer w0.254: TPIC595.14@22.095,31.95 ccw(c22.402,31.643) 21.968,31.643 21.968,30.734 cw(c19.428,30.734) 19.428,28.194 18.091,28.194 ccw(c18.091,26.162) 16.059,26.162 16.059,17.272 ccw(c17.424,17.272) 16.459,16.307 16.528,16.238 ccw(c18.324,18.034) 18.324,15.494 20.03,15.494 ccw(c20.03,18.034) 21.826,16.238 22.706,17.118 ccw(c22.043,17.78) 100K.2@22.98,17.78
NetR13_2: 100K.2@24.48,19.32 TPIC595.7@22.095,22.05 | length 4
  Bottom Layer w0.254: TPIC595.7@22.095,22.05 22.095,21.479 ccw(c23.353,21.479) 22.464,20.589 ccw(c23.114,21.24) 23.114,20.32 cw(c23.114,19.436) 23.739,20.061 100K.2@24.48,19.32
NetR14_2: 100K.2@25.98,19.32 TPIC595.6@23.365,22.05 | length 4.2
  Bottom Layer w0.254: TPIC595.6@23.365,22.05 23.365,21.935 ccw(c25.11,21.935) 23.876,20.701 24.115,20.462 ccw(c24.765,21.113) 24.765,20.193 24.861,20.193 cw(c24.861,18.892) 25.781,19.812 cw(c25.301,19.332) 25.98,19.332 100K.2@25.98,19.32
NetR15_2: 100K.2@27.48,19.32 TPIC595.5@24.635,22.05 | length 4.5
  Bottom Layer w0.254: TPIC595.5@24.635,22.05 24.635,21.142 ccw(c25.079,21.142) 24.765,20.828 ccw(c25.378,21.441) 25.378,20.574 25.4,20.574 cw(c25.4,18.58) 26.81,19.99 100K.2@27.48,19.32
NetR16_2: 100K.2@28.98,19.32 TPIC595.4@25.905,22.05 | length 4.6
  Bottom Layer w0.254: TPIC595.4@25.905,22.05 ccw(c27.315,22.05) 26.318,21.053 ccw(c27.781,22.516) 27.781,20.447 ; 27.782,20.447 cw(c27.782,19.146) 28.702,20.066 cw(c28.031,19.395) 28.98,19.395 100K.2@28.98,19.32
NetR17_1: 10K.1@87,12.96 C8T6.44 | length 41.6
  Top Layer w0.254: v1(48.514,14.224) 48.532,14.206 ccw(c50.328,16.002) 50.328,13.462 85.788,13.462 cw(c85.788,11.748) v1(87,12.96)
  Bottom Layer w0.254: C8T6.44@46.563,16.219 v1(48.514,14.224)
NetR18_1: 10K.1@89,12.96 C8T6.20 | length 40.6
  Top Layer w0.254: v1(65.278,8.128) v1(73.66,8.128)
  Bottom Layer w0.254: C8T6.20@51.481,9.181 51.789,8.872 ccw(c53.585,10.668) 53.585,8.128 v1(65.278,8.128) ; v1(73.66,8.128) 84.8,8.128 ccw(c84.8,10.668) 86.596,8.872 88.256,10.532 ccw(c86.46,12.328) 89,12.328 10K.1@89,12.96
NetU1_3: TPIC595.3@27.175,22.05 TPIC595.18@40.675,31.95 | length 24.1
  Top Layer w0.254: v1(27.178,23.622) 27.175,23.625 27.175,24.018 cw(c28.052,24.018) 27.432,24.638 cw(c28.658,23.412) 28.658,25.146 v1(31.496,25.146) ; v1(40.675,31.95) 40.675,28.933 ccw(c43.157,28.933) v1(41.402,27.178)
  Bottom Layer w0.254: TPIC595.3@27.175,22.05 v1@27.175,23.622 ; v1(31.496,25.146) 40.938,25.146 ccw(c40.938,26.267) 41.73,25.474 ccw(c41.297,25.908) 41.91,25.908 41.91,26.416 ccw(c41.297,26.416) 41.73,26.85 v1(41.402,27.178)
NetU2_3: TPIC595.3@40.675,22.05 TPIC595.18@54.175,31.95 | length 20.8
  Top Layer w0.254: v1(42.164,23.876) v1(44.704,23.876) ; v1(50.292,27.178) v1(50.292,29.972)
  Bottom Layer w0.254: TPIC595.3@40.675,22.05 40.675,22.641 cw(c41.91,22.641) 41.91,23.876 v1(42.164,23.876) ; v1(44.704,23.876) 47.498,23.876 ccw(c47.498,25.4) 49.022,25.4 cw(c50.248,25.4) 49.381,26.267 v1(50.292,27.178) ; v1(50.292,29.972) 52.622,29.972 ccw(c52.622,31.706) 53.848,30.48 ccw(c53.059,31.269) 54.175,31.269 TPIC595.18@54.175,31.95
NetU3_3: TPIC595.3@54.175,22.05 TPIC595.18@67.675,31.95 | length 21.3
  Top Layer w0.254: v1(67.675,27.178) v1(67.675,31.95)
  Bottom Layer w0.254: TPIC595.3@54.175,22.05 cw(c56.509,22.05) 56.509,24.384 65.135,24.384 ccw(c65.135,26.924) 67.675,26.924 v1(67.675,27.178)
NetU4_3: TPIC595.3@67.675,22.05 TPIC595.18@81.175,31.95 | length 22.1
  Top Layer w0.254: v1(81.175,27.178) v1(81.175,29.972)
  Bottom Layer w0.254: TPIC595.3@67.675,22.05 67.675,22.717 cw(c69.342,22.717) 69.342,24.384 79.756,24.384 ccw(c79.756,25.803) 81.175,25.803 v1(81.175,27.178) ; v1(81.175,29.972) TPIC595.18@81.175,31.95
NetU5_3: TPIC595.3@81.175,22.05 TPIC595.18@94.675,31.95 | length 21.1
  Top Layer w0.254: v1(90.678,24.384) 91.404,24.384 ccw(c91.404,26.924) 93.2,25.128 93.931,25.859 ccw(c92.135,27.655) 94.675,27.655 v1(94.675,31.95)
  Bottom Layer w0.254: TPIC595.3@81.175,22.05 81.175,22.396 cw(c83.268,22.396) 81.788,23.876 cw(c83.014,22.65) 83.014,24.384 v1(90.678,24.384)
NetU7_3: TPIC595.3@108.175,22.05 TPIC595.18@121.675,31.95 | length 20.4
  Top Layer w0.254: v1(117.602,24.892) 117.82,24.892 ccw(c117.82,27.432) 119.616,25.636 120.931,26.951 ccw(c119.135,28.747) 121.675,28.747 v1(121.675,31.95)
  Bottom Layer w0.254: TPIC595.3@108.175,22.05 108.175,22.287 cw(c110.715,22.287) 108.919,24.083 108.984,24.148 cw(c110.78,22.352) 110.78,24.892 v1(117.602,24.892)
NetU8_3: TPIC595.3@121.675,22.05 TPIC595.18@135.175,31.95 | length 22.3
  Bottom Layer w0.254: TPIC595.3@121.675,22.05 121.675,23.758 cw(c122.682,23.758) 122.682,24.765 133.731,24.765 ccw(c133.731,26.209) 135.175,26.209 TPIC595.18@135.175,31.95
NetU9_3: TPIC595.3@135.175,22.05 TPIC595.18@148.675,31.95 | length 19.5
  Bottom Layer w0.254: TPIC595.3@135.175,22.05 135.175,22.109 cw(c137.715,22.109) 135.615,23.537 cw(c137.715,22.109) 135.919,23.905 136.398,24.384 cw(c137.624,23.158) 137.624,24.892 141.442,24.892 ccw(c141.442,27.432) 143.238,25.636 143.256,25.654 ccw(c142.643,26.267) 143.51,26.267 143.51,27.047 cw(c144.439,27.047) 143.782,27.704 cw(c145.578,25.908) 145.578,28.448 146.05,28.448 ccw(c146.05,30.493) 147.496,29.047 147.931,29.482 ccw(c146.135,31.278) 148.675,31.278 TPIC595.18@148.675,31.95
NetU10_3: TPIC595.3@148.675,22.05 TPIC595.18@162.175,31.95 | length 22.6
  Bottom Layer w0.254: TPIC595.3@148.675,22.05 148.675,23.199 cw(c149.352,23.199) 149.352,23.876 160.905,23.876 ccw(c160.905,25.146) 162.175,25.146 TPIC595.18@162.175,31.95
NRST: 10K.1@93,14.5 104.2@91,12.96 C8T6.7 | length 69.3
  Top Layer w0.254: v1(67.818,15.494) v1(102.87,15.494)
  Bottom Layer w0.254: C8T6.7@52.188,15.512 52.717,16.042 cw(c53.848,14.911) 53.848,16.51 55.082,16.51 cw(c55.082,13.97) 56.878,15.766 57.168,15.476 ccw(c58.964,17.272) 58.964,14.732 66.004,14.732 ccw(c66.004,17.272) 67.8,15.476 v1(67.818,15.494) ; 104.2@91,12.96 10K.1@93,14.5 98.542,14.5 cw(c98.542,12.69) 99.822,13.97 100.094,13.698 ccw(c101.89,15.494) 101.89,12.954 103.273,12.954 ccw(c103.273,13.821) 103.886,13.208 104.035,13.357 ccw(c103.168,14.224) 104.394,14.224 104.394,14.627 ccw(c103.527,14.627) 104.14,15.24 ccw(c103.527,14.627) 103.527,15.494 v1(102.87,15.494)
NUM_N: "+ +.1" C8T6.21 | length 34.6
  Bottom Layer w0.254: C8T6.21@51.127,8.827 51.844,8.11 ccw(c53.64,9.906) 53.64,7.366 64.734,7.366 ccw(c64.734,9.906) 66.53,8.11 72.662,14.242 cw(c74.458,12.446) 74.458,14.986 78.276,14.986 ccw(c78.276,16.72) 79.502,15.494 ccw(c78.3,16.696) 80,16.696 80,18
NUM_P: "- -.1" C8T6.46 | length 20.4
  Top Layer w0.254: v1(49.022,15.748) v1(65.024,15.748)
  Bottom Layer w0.254: C8T6.46@47.27,16.926 48.044,16.153 ccw(c49.022,17.132) v1(49.022,15.748) ; 65,18 65,15.806 ccw(c65.082,15.806) v1(65.024,15.748)
SWCLK: C8T6.37 J1.3 | length 16.9
  Top Layer w0.254: v1(46.228,4.826) 47.716,4.826 cw(c47.716,2.286) 49.512,4.082 49.933,3.661 cw(c49.066,2.794) v1(50.292,2.794)
  Bottom Layer w0.254: C8T6.37@44.089,13.744 43.416,13.072 ccw(c45.212,11.276) 42.672,11.276 42.672,7.068 ccw(c44.406,7.068) 43.18,5.842 43.452,5.57 ccw(c45.248,7.366) 45.248,4.826 v1(46.228,4.826)
SWDIO: C8T6.34 J1.2 | length 11.5
  Bottom Layer w0.254: C8T6.34@44.814,10.966 44.178,10.331 ccw(c45.974,8.535) 43.434,8.535 43.434,7.322 ccw(c45.168,7.322) 43.942,6.096 ccw(c45.168,7.322) 45.168,5.588 46.018,5.588 cw(c46.018,3.854) 47.244,5.08 cw(c46.018,3.854) 47.752,3.854 J1.2@47.752,2.794
UART1_RX: C8T6.31
UART1_TX: C8T6.30
"USB D+": TypeC.A6 TypeC.B6 | length 3
  Bottom Layer w0.254: TypeC.A6@5.944,11.751 5.038,11.751 4.826,11.963 4.826,12.548 5.03,12.751 TypeC.B6@5.944,12.751
"USB D-": TypeC.A7 TypeC.B7 | length 2.9
  Bottom Layer w0.254: TypeC.B7@5.944,11.251 6.781,11.251 6.985,11.455 6.985,12.065 6.799,12.251 TypeC.A7@5.944,12.251
VH: 22K.2 HV_EX.4 U12.4 | length 247.7
  Bottom Layer w0.635: 6.92,34.5 6.92,39.276 cw(c9.46,39.276) 7.664,41.072 9.756,43.164 ccw(c7.96,44.96) 10.5,44.96 HV_EX.4@10.5,46.5 10.5,48.006 cw(c12.532,48.006) 12.532,50.038 26.22,50.038 ; 22K.2@26.22,41.08 26.22,50.038 ; v1(46.54,41.08) 46.54,50.038 ; v1(66.86,41.08) 66.86,50.038 ; v1(87.18,41.08) 87.18,50.038 ; v1(107.5,41.08) 107.5,50.038 ; 22K.2@127.762,41.148 127.762,50.038 ; 127.762,50.106 127.762,50.038 ; 22K.2@148.14,41.08 148.14,50.038 ; v1(168.46,41.08) 168.46,48.006 ccw(c166.428,48.006) 166.428,50.038 148.14,50.038 ; 26.22,50.038 46.54,50.038 ; 46.54,50.038 66.86,50.038 ; 66.86,50.038 87.18,50.038 ; 87.18,50.038 107.5,50.038 ; 107.5,50.038 127.762,50.038 ; 127.762,50.038 148.14,50.038
  Bottom Layer w0.762: U12.4@6.92,31.5 6.92,34.5
  other v1: 127.82,41.08
VUSB: 105.2@3.77,22 106.2 F1.1 TypeC.A4 TypeC.A9 TypeC.B4 TypeC.B9 | length 18.2
  Bottom Layer w0.254: 106.2@3.77,20 ccw(c4.287,19.483) 3.556,19.483 3.556,15.525 ccw(c4.857,15.525) 3.937,14.605 cw(c3.017,13.685) 4.318,13.685 4.318,13.566 ; TypeC.B9@5.944,9.751 5.685,9.751 cw(c5.685,11.146) 4.699,10.16 cw(c5.619,11.08) 4.318,11.08 4.318,13.566 ; TypeC.B4@5.944,14.251 5.114,14.251 ccw(c5.114,13.377) 4.496,13.995 ccw(c4.925,13.566) 4.318,13.566
  Bottom Layer w0.508: 106.2@3.77,20 105.2@3.77,22 F1.1@3.77,24.638
pads on no net: 1.1 1.2 2.1 2.2 3.1 3.2 4.1 4.2 5.1 5.2 6.1 6.2 7.1 7.2 8.1 8.2 9.1 9.2 10.1 10.2 11.1 11.2 12.1 12.2 13.1 13.2 14.1 14.2 15.1 15.2 16.1 16.2 17.1 17.2 18.1 18.2 19.1 19.2 20.1 20.2 "+ +.2" "+ +.4" "- -.2" "- -.4" "BLE 4.2.1" "BLE 4.2.2" "BLE 4.2.3" "BLE 4.2.4" "BLE 4.2.7" "BLE 4.2.8" "BLE 4.2.9" "BLE 4.2.12" ?.1 ?.2@9,9 ?.3 ?.4 _1.1 _1.2 _2.1 _2.2 C8T6.2 C8T6.3 C8T6.4 C8T6.5 C8T6.6 C8T6.10 C8T6.11 C8T6.18 C8T6.19 C8T6.22 C8T6.25 C8T6.26 C8T6.27 C8T6.28 C8T6.29 C8T6.32 C8T6.33 C8T6.38 C8T6.39 C8T6.40 C8T6.41 DS3231.1 DS3231.3 DS3231.4 HV_EX.3 Q1.1 Q1.12 Q2.1 Q2.12 Q3.1 Q3.12 Q4.1 Q4.12 Q5.1 Q5.12 Q6.1 Q6.12 Q7.1 Q7.12 Q8.1 Q8.12 S1.3 S1.X1 S1.X2 SETTING.2 SETTING.4 TPIC595.1 TPIC595.18@27.175,31.95 TPIC595.20 TypeC.0 TypeC.A5 TypeC.A8 TypeC.B5 TypeC.B8

## Polygon pours and split planes (outlines as drawn)
GND on Bottom Layer "Top Layer-No Net" (solid, remove dead copper, pour order 12): 183,0 183,18 175.5,18 175.5,33 183,33 183,51 172.5,51 172.5,48 22.5,48 22.5,51 0,51 0,0
GND on Top Layer "Top Layer-No Net" (solid, remove dead copper, pour order 14): 183,51 183,33 175.5,33 175.5,18 183,18 183,0 0,0 0,51 22.5,51 22.5,48 172.5,48 172.5,51 183,51

## Keep-outs
Keep-Out Layer:
  the board outline again, w0.381

## Other copper
Top Layer:
  pour cut-out: 23.5,42.5 23.5,40 33.5,40 33.5,42.5
  pour cut-out: 142,42.5 142,40 164,40 164,42.5
Bottom Layer:
  region: 15.5,30.168 6.102,30.168 6.102,19.5 15.5,19.5

## Silkscreen, mask and mechanical layers (free items; w line width, h text height)
Bottom Overlay:
  drawing of 2069 lines, arcs and shapes, not listed
  text "叠加态的世界线" at 105,48 h1.27
  text "δ世界线收束范围（约3%～约4%）" at 126.25,48 h1.27
  text "R世界线（1.048596%+或-0.000001%）" at 147.5,48 h1.27
  text "α世界线收束范围（约0%～约1%）" at 167,48 h1.27
  text "ε世界线收束范围（约4%～约5%）" at 126,46 h1.27
  text "X世界线“收束”范围（约1%～约1.1%）" at 147.5,46 h1.27
  text "β世界线收束范围（约1%～约2%）" at 167,46 h1.27
  text "Ω世界线收束范围（约-1%～约0%）" at 126.5,44 h1.27
  text "γ世界线收束范围（约2%～约3%）" at 147.5,44 h1.27
  text "Steins;Gate世界线（1.048596%）" at 167,44 h1.27
  text "170V" at 11,43.5 h1.27
  text "5V0" at 18.5,43.5 h1.27
  text "JLCJLCJLCJLC" at 3.048,9.144 h1.27 r90
  text "GND" at 11.582,9.144 h1.27
  text "5V0" at 14.224,9.144 h1.27
  text "3V3" at 16.866,9.144 h1.27
  text "DIO" at 48.5,5 h1.27
  text "DCK" at 51,5 h1.27
  text "By:52Hz" at 15.748,1.27 h1.52
Top Solder:
  rectangle: 142.5,48 163.5,49.5
  rectangle: 142.5,40.5 163.5,42
  rectangle: 24,40.5 33,42
  rectangle: 24,48 33,49.5
Bottom Solder:
  lines w0.381: 7.5,21 6.5,21.5 ; 7.5,22 6.5,21.5 ; 8.5,20.5 14.5,27.5 ; 13,28.5 13.5,29.5 ; 13.5,20 13.5,29.5 ; 14,28.5 13.5,29.5 ; 15,21.5 6.5,21.5
  text "y=kx+b" at 9.5,23.5 h1.27
Drill Guide:
  lines w0.381: 91.5,0 91.5,51
Drill Drawing:
  circle w0.254: c15,9 r6
  lines w0.381: 6,9 6,15 ; 75,45 84,45 ; 96,6 96,9 ; 99,3 102,3 ; 102,6 102,9 ; 105,3 108,3 ; 108,6 108,9 ; 111,3 114,3 ; 114,6 114,9 ; 123,6 123,9 ; 123.29,2.63 126.29,2.63 ; 129,3 132,3 ; 129,6 129,9 ; 135,3 138,3 ; 135,6 135,9 ; 141,3 144,3 ; 141,6 141,9 ; 147,3 147,6 ; 159,9 168,9 ; 159,12 168,12 ; 159,15 180,15 ; 171,9 180,9 ; 171,12 180,12 ; 174,36 180,36 ; 174,39 180,39 ; 174,42 180,42 ; 24,3 27,3 27,15 24,15 24,3 ; 24,42 33,42 33,48 24,48 24,42 ; 142.5,42 142.5,48 163.5,48 163.5,42 142.5,42